# Altium PCB LXDjump.PcbDoc (continued)
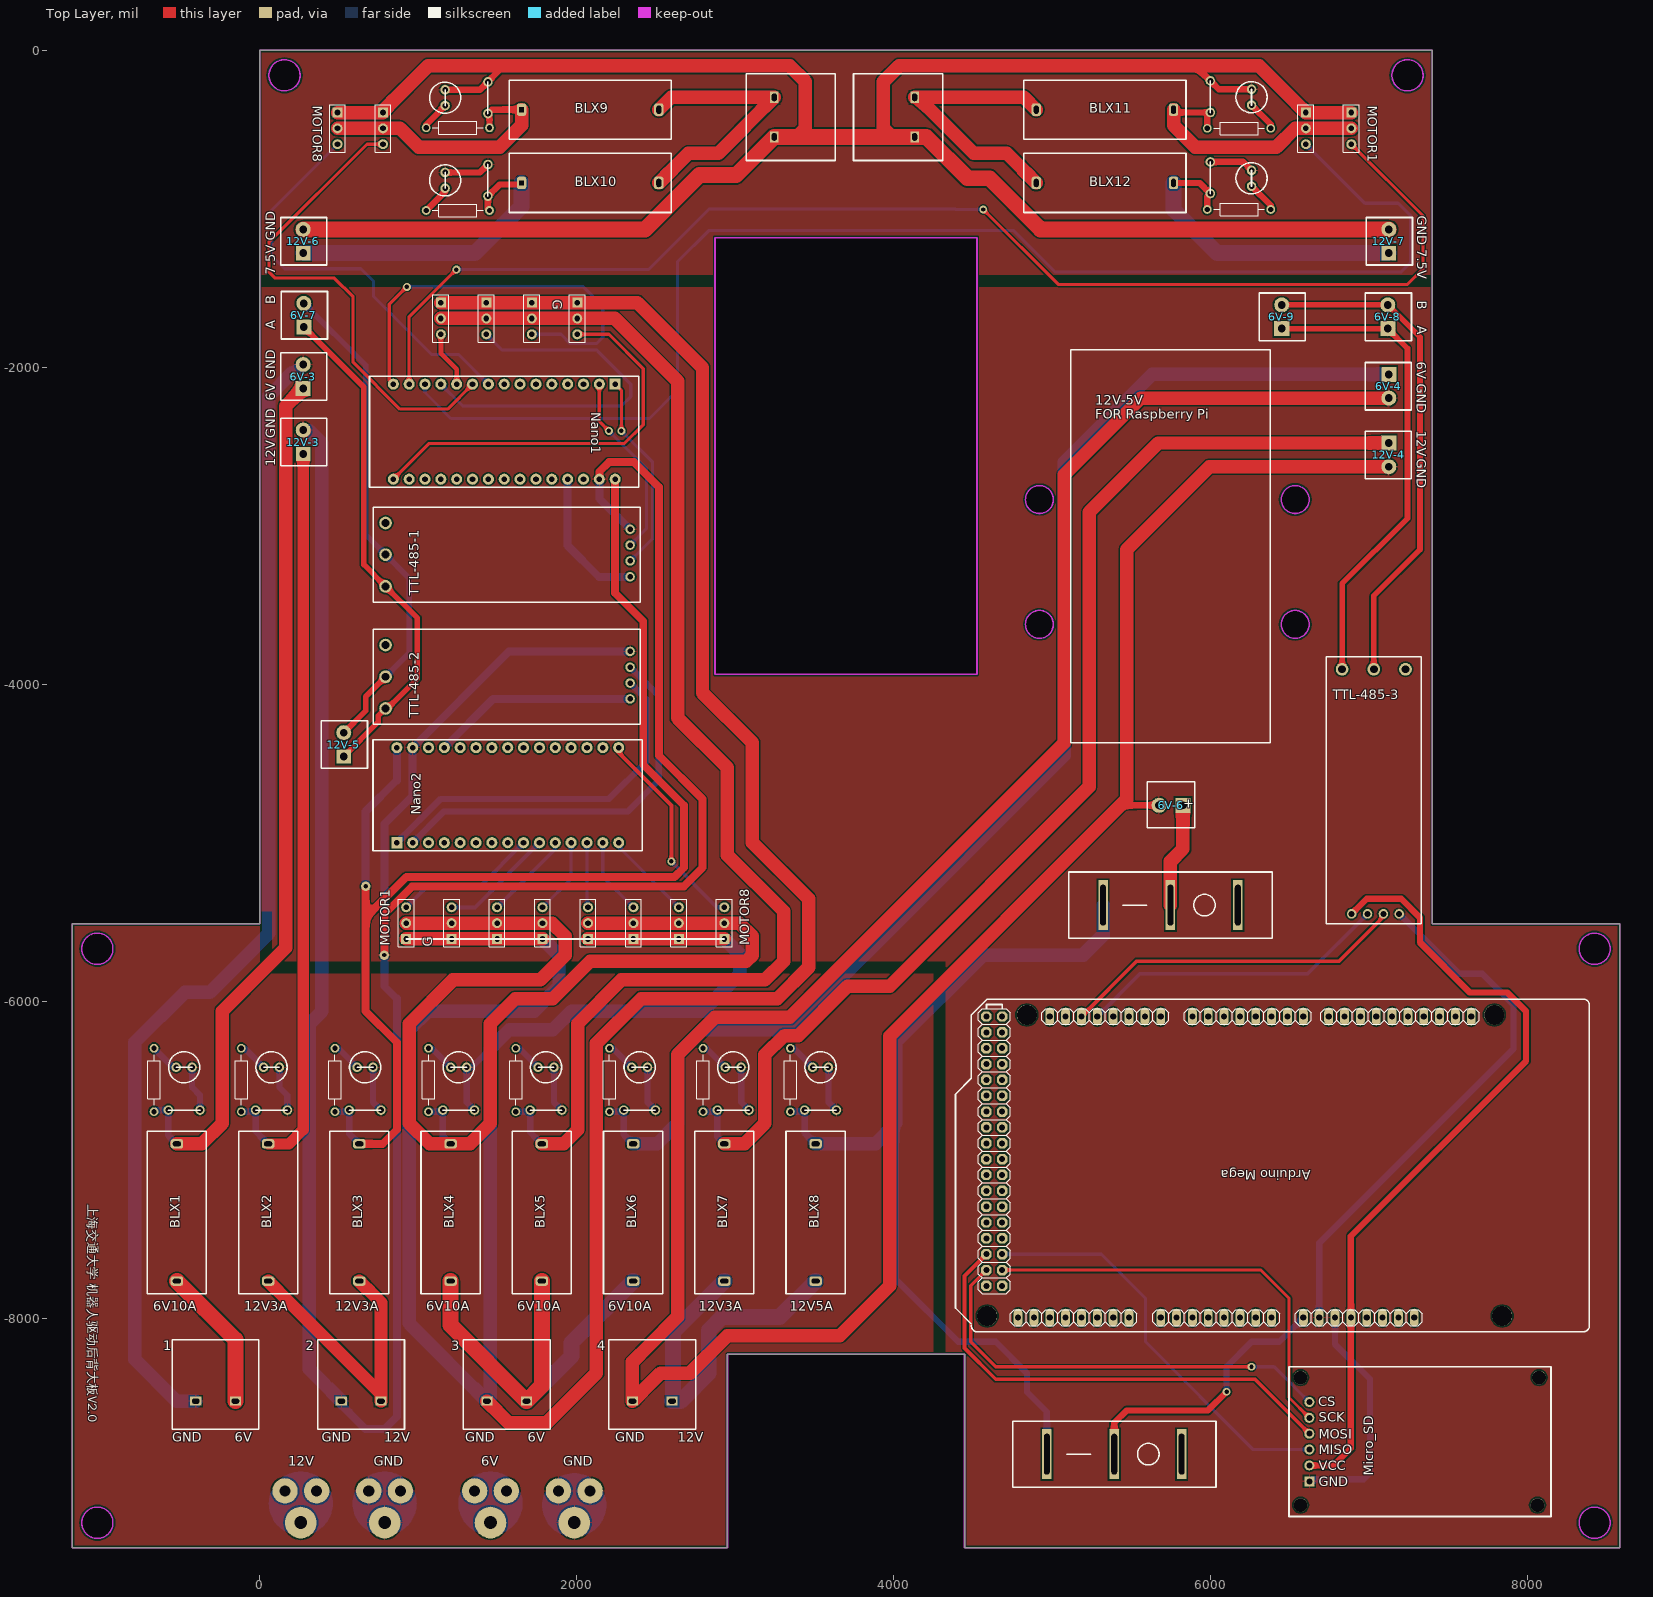
[diagram p0: Top Layer view]
## Nets (pads, with @x,y where several pads share a name; then routed paths per layer and width w, separated by ;. In a path a pad name is that pad's centre, name@x,y a point inside that pad or via, vN(x,y) a via of type N, cw(c..) or ccw(c..) an arc to the next point about the centre after c; other vN are vias at no path point)
3V3: 
6IN: 
6ING: 
7.5VL: ?.1@3248.03,-296.26 BLX9.2 BLX10.2 | length 3425.4
  Top Layer w85: BLX10.2 2705.71,-650.59 2893.7,-650.59 3248.03,-296.26 2597.44,-296.26 BLX9.2
  Bottom Layer w85: BLX10.2 2705.71,-650.59 2893.7,-650.59 3248.03,-296.26 2597.44,-296.26 BLX9.2
7.5VLO: ?.1@1441.14,-398.58 ?.1@1451.14,-488.58 ?.2@778.97,-492.13 BLX9.1 MOTOR8.2@492.13,-492.13 | length 3048.4
  Top Layer w40: ?.1@1451.14,-488.58 1451.14,-408.58 1441.14,-398.58 1465.71,-374.02 BLX9.1
  Top Layer w85: MOTOR8.2@492.13,-492.13 778.97,-492.13 885.83,-492.13 1003.94,-610.24 1515.75,-610.24 1653.54,-472.44 BLX9.1
  Bottom Layer w85: MOTOR8.2@492.13,-492.13 778.97,-492.13 885.83,-492.13 1003.94,-610.24 1515.75,-610.24 1653.54,-472.44 BLX9.1
7.5VLO2: 12V-6.1 ?.1@1441.14,-920.24 ?.1@1451.14,-1010.24 BLX10.1 | length 1989.1
  Top Layer w40: ?.1@1451.14,-1010.24 1441.14,-1000.24 1441.14,-920.24 1514.92,-846.46 1643.7,-846.46 BLX10.1
  Bottom Layer w100: 12V-6.1 1358.27,-1279.53 1653.54,-984.25 BLX10.1
7.5VR: ?.2@4133.86,-296.26 BLX11.1 BLX12.1 | length 3541.6
  Top Layer w85: ?.2@4133.86,-296.26 ?.2@4154.53,-296.26 ; BLX12.1 4714.57,-649.61 4507.87,-649.61 ?.2@4154.53,-296.26 ; BLX11.1 4823.82,-296.26 ?.2@4154.53,-296.26
  Bottom Layer w85: ?.2@4133.86,-296.26 ?.2@4154.53,-296.26 ; BLX12.1 4714.57,-649.61 4507.87,-649.61 ?.2@4154.53,-296.26 ; BLX11.1 4823.82,-296.26 ?.2@4154.53,-296.26
7.5VRO: ?.1@5981.1,-492.13 ?.2@5999.8,-391.97 ?.2@6602.92,-492.13 BLX11.2 MOTOR1.2@6889.76,-492.13 | length 3000.4
  Top Layer w40: BLX11.2 5785.67,-391.97 5999.8,-391.97 5981.1,-410.67 ?.1@5981.1,-492.13
  Top Layer w85: BLX11.2 5767.72,-472.44 5905.51,-610.24 6417.32,-610.24 6535.43,-492.13 6602.92,-492.13 MOTOR1.2@6889.76,-492.13
  Bottom Layer w85: BLX11.2 5767.72,-472.44 5905.51,-610.24 6417.32,-610.24 6535.43,-492.13 6602.92,-492.13 MOTOR1.2@6889.76,-492.13
7.5VRO2: 12V-7.1 ?.1@5981.1,-1003.94 ?.2@5999.8,-903.78 BLX12.2 | length 2007.6
  Top Layer w40: BLX12.2 5932.64,-836.61 5999.8,-903.78 5981.1,-922.48 ?.1@5981.1,-1003.94
  Bottom Layer w100: BLX12.2 5767.72,-1003.94 6043.31,-1279.53 12V-7.1
12IN: 
12ING: 
50: "Arduino Mega.31" Micro_SD.3 | length 2609.9
  Bottom Layer w20: 4686.69,-7596.65 5313.19,-7596.65 5590.55,-7874.02 5590.55,-8149.61 6270.47,-8829.53 Micro_SD.3
51: "Arduino Mega.32" Micro_SD.4 | length 3049
  Top Layer w25: 4586.69,-7596.65 4448.82,-7734.53 4448.82,-8188.98 4645.67,-8385.83 6280.79,-8385.83 Micro_SD.4
52: "Arduino Mega.33" Micro_SD.5 | length 2691.5
  Top Layer w20: 4686.69,-7696.65 6318.7,-7696.65 6496.06,-7874.02 6496.06,-8501.1 Micro_SD.5
53: "Arduino Mega.34" Micro_SD.6@6624.49,-8529.53 | length 2787.4
  Top Layer w20: 4586.69,-7696.65 4488.19,-7795.16 4488.19,-8149.61 4645.67,-8307.09 v1(6259.84,-8307.09)
  Bottom Layer w20: v1(6259.84,-8307.09) 6402.05,-8307.09 Micro_SD.6@6624.49,-8529.53
GND: 1.1 2.1 3.1 4.1 6V-3.2 6V-4.2 6V-6.2 12V-3.2 12V-4.2 12V-6.2 12V-7.2 "Arduino Mega.6"@6786.69,-7996.65 "Arduino Mega.7"@6686.69,-7996.65 ?.1@778.97,-392.13 ?.1@1144.54,-1591.69 ?.1@1212.04,-5607.44 ?.1@1431.38,-1591.69 ?.1@1498.87,-5607.44 ?.1@1718.22,-1591.69 ?.1@1785.71,-5607.44 ?.1@2005.06,-1591.69 ?.1@2072.55,-5607.44 ?.1@2359.39,-5607.44 ?.1@2646.23,-5607.44 ?.1@4133.86,-546.26 ?.1@5999.8,-191.97 ?.1@5999.8,-703.78 ?.1@6259.84,-245.28 ?.1@6259.84,-757.09 ?.1@6602.92,-392.13 ?.2@125.43,-6417.21 ?.2@175.43,-6687.21 ?.2@715.98,-6417.21 ?.2@765.98,-6687.21 ?.2@1171.14,-248.58 ?.2@1171.14,-770.24 ?.2@1306.54,-6417.21 ?.2@1356.54,-6687.21 ?.2@1441.14,-198.58 ?.2@1441.14,-720.24 ?.2@1857.72,-6417.21 ?.2@1907.72,-6687.21 ?.2@2448.27,-6417.21 ?.2@2498.27,-6687.21 ?.2@3038.82,-6417.21 ?.2@3088.82,-6687.21 ?.2@3248.03,-546.26 ?.2@3590,-6417.21 ?.2@3640,-6687.21 ?.2@-375.75,-6687.21 ?.2@-425.75,-6417.21 Micro_SD.1 MOTOR1.1 MOTOR8.1 Nano1.29 Nano2.29 pad.2@689.37,-9090.16 pad.2@789.37,-9290.16 pad.2@889.37,-9090.16 pad.2@1886.22,-9090.16 pad.2@1986.22,-9290.16 pad.2@2086.22,-9090.16 TTL-485-1.7 TTL-485-2.7 TTL-485-3.7 | length 96864.7
  Top Layer w40: ?.2@1171.14,-770.24 1391.14,-770.24 ?.2@1441.14,-720.24 ; ?.2@1171.14,-248.58 1391.14,-248.58 1441.14,-198.58 1535.43,-104.29 ; 5433.07,-4763.78 6V-6.2 ; 5905.51,-98.43 5906.26,-98.43 5999.8,-191.97 6053.11,-245.28 ?.1@6259.84,-245.28 ; ?.1@5999.8,-703.78 6206.53,-703.78 ?.1@6259.84,-757.09
  Top Layer w50: v2(787.4,-5708.66) 787.4,-5451.2 963.01,-5275.59 2677.16,-5275.59 2795.28,-5157.48 2795.28,-4724.41 2519.68,-4448.82 2519.68,-2755.91 2362.2,-2598.43 2204.72,-2598.43 2144.09,-2659.06 Nano1.29
  Top Layer w85: 12V-3.2 12V-3.2@280.75,-2401.58 ; MOTOR8.1@492.13,-392.13 778.97,-392.13 778.97,-382.45 1062.99,-98.43 3346.46,-98.43 3444.88,-196.85 3444.88,-492.13 3390.75,-546.26 ; MOTOR1.1@925.2,-5607.44 1212.04,-5607.44 1498.87,-5607.44 ?.1@1785.71,-5607.44 ; ?.1@1144.54,-1591.69 1431.38,-1591.69 1718.22,-1591.69 2005.06,-1591.69 2384.68,-1591.69 2795.28,-2002.28 2795.28,-4055.12 3110.24,-4370.08 3110.24,-5000 3464.57,-5354.33 3464.57,-5787.4 3267.72,-5984.25 2408,-5984.25 2125.98,-6266.27 2125.98,-8346.46 1811.02,-8661.42 1572.51,-8661.42 3.1 ; ?.1@2072.55,-5607.44 2359.39,-5607.44 2646.23,-5607.44 MOTOR8.1@2933.07,-5607.44 ; 3991.14,-546.26 3937.01,-492.13 3937.01,-196.85 4035.43,-98.43 5905.51,-98.43 ; 5906.26,-98.43 6309.22,-98.43 6602.92,-392.13 MOTOR1.1@6889.76,-392.13 ; 12V-4.2 5994.53,-2627.52 5472.44,-3149.61 5472.44,-4724.41 5433.07,-4763.78 3976.38,-6220.47 3976.38,-7795.28 3661.42,-8110.24 2952.76,-8110.24 2716.54,-8346.46 2530.51,-8346.46 4.1 2353.35,-8276.58 2458.27,-8171.66 2637.79,-7992.13 2637.79,-6338.58 2874.02,-6102.36 3346.46,-6102.36 5078.74,-4370.08 5078.74,-2677.17 5561.46,-2194.45 6V-4.2
  Top Layer w100: 12V-6.2 2433.46,-1129.53 2775.59,-787.4 3006.89,-787.4 3248.03,-546.26 3390.75,-546.26 3991.14,-546.26 4133.86,-546.26 4207.68,-546.26 4468.5,-807.09 4606.3,-807.09 4891.73,-1092.52 4928.74,-1129.53 12V-7.2
  Bottom Layer w40: ?.2@-425.75,-6417.21 -425.75,-6542.76 -375.75,-6592.76 ?.2@-375.75,-6687.21 ; ?.2@125.43,-6417.21 125.43,-6542.76 175.43,-6592.76 ?.2@175.43,-6687.21 ; ?.2@715.98,-6417.21 715.98,-6637.21 ?.2@765.98,-6687.21 ; ?.2@1356.54,-6687.21 1306.54,-6637.21 1306.54,-6417.21 1338.7,-6417.21 1456.69,-6299.21 ; ?.2@1857.72,-6417.21 1857.72,-6637.21 ?.2@1907.72,-6687.21 ; ?.2@2448.27,-6417.21 2448.27,-6637.21 ?.2@2498.27,-6687.21 ; ?.2@3038.82,-6417.21 3038.82,-6637.21 ?.2@3088.82,-6687.21 ; ?.2@3590,-6417.21 3590,-6637.21 ?.2@3640,-6687.21 ; Micro_SD.1 6638.27,-9015.75 6968.5,-9015.75 7007.87,-8976.38 7007.87,-8385.83 6786.69,-8164.65 6786.69,-7996.65 ; 6686.69,-7996.65 6686.69,-7525.9 7913.39,-6299.21 7913.39,-6023.62 7716.54,-5826.77 7569.68,-5826.77 TTL-485-3.7
  Bottom Layer w50: 2.1 516.08,-8547.57 669.29,-8700.79 787.4,-8700.79 866.14,-8622.05 866.14,-5984.25 787.4,-5905.51 v2(787.4,-5708.66) 787.4,-4881.89 966.14,-4703.15 Nano2.29 1573.62,-3792.52 TTL-485-2.7 ; Nano1.29 2144.09,-2827.52 TTL-485-1.7
  Bottom Layer w85: 1.1 -524.02,-8523.62 -787.4,-8260.24 -787.4,-6259.84 -472.44,-5944.88 -314.96,-5944.88 57.5,-5572.42 57.5,-2181.87 206.34,-2033.03 225.59,-2033.03 6V-3.2 ; 12V-3.2 280.75,-2401.58 314.96,-2401.58 393.7,-2480.32 393.7,-6062.99 314.96,-6141.73 314.96,-8322.51 2.1 ; MOTOR8.1@492.13,-392.13 ?.1@778.97,-392.13 ; ?.1@778.97,-382.45 1062.99,-98.43 3346.46,-98.43 3444.88,-196.85 3444.88,-492.13 3390.75,-546.26 ; ?.1@1144.54,-1591.69 1431.38,-1591.69 1718.22,-1591.69 ?.1@2005.06,-1591.69 ; ?.1@1785.71,-5607.44 1889.76,-5711.49 1889.76,-5905.51 1732.28,-6062.99 1062.99,-6062.99 944.88,-6181.1 944.88,-8033.79 3.1 1456.69,-8501.64 1456.69,-6299.21 1574.8,-6181.1 1850.39,-6181.1 1968.5,-6062.99 2795.28,-6062.99 3031.5,-5826.77 3031.5,-5705.86 MOTOR8.1@2933.07,-5607.44 ; 3991.14,-546.26 3937.01,-492.13 3937.01,-196.85 4035.43,-98.43 5905.51,-98.43 ; 5906.26,-98.43 6309.22,-98.43 6602.92,-392.13 MOTOR1.1@6889.76,-392.13
  Bottom Layer w100: ?.2@3248.03,-546.26 3390.75,-546.26 3991.14,-546.26 ?.1@4133.86,-546.26
LED1: ?.1@-525.75,-6417.21 ?.2@-665.75,-6297.21 | length 189.7
  Bottom Layer w40: ?.2@-665.75,-6297.21 -545.75,-6417.21 ?.1@-525.75,-6417.21
LED2: ?.1@25.43,-6417.21 ?.2@-114.57,-6297.21 | length 189.7
  Bottom Layer w40: ?.2@-114.57,-6297.21 -94.57,-6297.21 ?.1@25.43,-6417.21
LED3: ?.1@615.98,-6417.21 ?.2@475.98,-6297.21 | length 189.7
  Bottom Layer w40: ?.2@475.98,-6297.21 495.98,-6297.21 ?.1@615.98,-6417.21
LED4: ?.1@1206.54,-6417.21 ?.2@1066.54,-6297.21 | length 189.7
  Bottom Layer w40: ?.2@1066.54,-6297.21 1086.54,-6297.21 ?.1@1206.54,-6417.21
LED5: ?.1@1757.72,-6417.21 ?.2@1617.72,-6297.21 | length 189.7
  Bottom Layer w40: ?.2@1617.72,-6297.21 1637.72,-6297.21 ?.1@1757.72,-6417.21
LED6: ?.1@2348.27,-6417.21 ?.2@2208.27,-6297.21 | length 189.7
  Bottom Layer w40: ?.2@2208.27,-6297.21 2228.27,-6297.21 ?.1@2348.27,-6417.21
LED7: ?.1@2938.82,-6417.21 ?.2@2798.82,-6297.21 | length 189.7
  Bottom Layer w40: ?.2@2798.82,-6297.21 2818.82,-6297.21 ?.1@2938.82,-6417.21
LED8: ?.1@3490,-6417.21 ?.2@3350,-6297.21 | length 189.7
  Bottom Layer w40: ?.2@3350,-6297.21 3370,-6297.21 ?.1@3490,-6417.21
LED9: ?.1@1171.14,-348.58 ?.2@1051.14,-488.58 | length 189.7
  Top Layer w40: ?.2@1051.14,-488.58 1051.14,-468.58 ?.1@1171.14,-348.58
LED10: ?.1@1171.14,-870.24 ?.2@1051.14,-1010.24 | length 189.7
  Top Layer w40: ?.2@1051.14,-1010.24 1171.14,-890.24 ?.1@1171.14,-870.24
LED11: ?.2@6259.84,-345.28 ?.2@6381.1,-492.13 | length 197.1
  Top Layer w40: ?.2@6259.84,-345.28 6381.1,-466.54 ?.2@6381.1,-492.13
LED12: ?.2@6259.84,-857.09 ?.2@6381.1,-1003.94 | length 197.1
  Top Layer w40: ?.2@6259.84,-857.09 6381.1,-978.35 ?.2@6381.1,-1003.94
LED+: 
M1: MOTOR1.3@925.2,-5407.44 Nano2.9 | length 909.7
  Bottom Layer w25: MOTOR1.3@925.2,-5407.44 1057.05,-5275.59 1390.55,-5275.59 Nano2.9
M1U: MOTOR8.3@492.13,-592.13 Nano1.9 | length 2633.8
  Bottom Layer w20: MOTOR8.3@492.13,-592.13 78.74,-1005.51 78.74,-1299.21 157.48,-1377.95 640.23,-1377.95 718.97,-1456.69 718.97,-1552.05 1085.97,-1919.05 1256.84,-1919.05 Nano1.9
M2: ?.3@1212.04,-5407.44 Nano2.10 | length 722.9
  Bottom Layer w25: ?.3@1212.04,-5407.44 1358.7,-5407.44 Nano2.10
M2U: ?.3@778.97,-592.13 Nano1.10 | length 3114.1
  Top Layer w20: ?.3@778.97,-592.13 677.89,-592.13 59.05,-1210.96 59.05,-1397.64 98.42,-1437.01 472.44,-1437.01 590.55,-1555.12 590.55,-1968.5 885.83,-2263.78 1186.61,-2263.78 Nano1.10
M3: ?.3@1498.87,-5407.44 Nano2.11 | length 559.6
  Bottom Layer w25: ?.3@1498.87,-5407.44 1866.14,-5040.17 Nano2.11
M3U: ?.3@1144.54,-1791.69 Nano1.11 | length 355.8
  Top Layer w30: ?.3@1144.54,-1791.69 1144.54,-1912.26 1244.09,-2011.81 Nano1.11
M4: ?.3@1785.71,-5407.44 Nano2.12 | length 482.2
  Bottom Layer w20: ?.3@1785.71,-5407.44 1966.14,-5227.01 Nano2.12
M4U: ?.3@1431.38,-1791.69 Nano1.12 | length 2400.2
  Bottom Layer w20: Nano1.12 1281.89,-2244.1 2283.46,-2244.1 2342.52,-2185.04 2342.52,-2106.3 2137.76,-1901.54 2125.98,-1889.76 1529.45,-1889.76 ?.3@1431.38,-1791.69
M5: ?.3@2072.55,-5407.44 Nano2.13 | length 410.1
  Bottom Layer w20: Nano2.13 2066.14,-5401.03 ?.3@2072.55,-5407.44
M5U: ?.3@6602.92,-592.13 Nano1.13 | length 8582.5
  Bottom Layer w20: Nano1.13 1044.09,-2159.17 1207.76,-2322.84 2460.63,-2322.84 2637.79,-2145.67 2637.79,-1333.9 2834.65,-1137.05 4759.09,-1137.05 5019.68,-1397.64 7204.72,-1397.64 7263.78,-1338.58 7263.78,-1043.31 7185.04,-964.57 6975.37,-964.57 ?.3@6602.92,-592.13
M6: ?.3@2359.39,-5407.44 Nano2.14 | length 487.5
  Bottom Layer w20: Nano2.14 2166.14,-5214.19 ?.3@2359.39,-5407.44
M6U: MOTOR1.3@6889.76,-592.13 Nano1.14 | length 8316.4
  Top Layer w20: Nano1.14 944.09,-1680.92 v1(1241.97,-1383.05) ; v1(4566.93,-1003.94) 5039.37,-1476.38 7244.09,-1476.38 7342.52,-1377.95 7342.52,-1044.88 MOTOR1.3@6889.76,-592.13
  Bottom Layer w20: v1(1241.97,-1383.05) 2455.53,-1383.05 2837.53,-1001.05 4389.76,-1001.05 4392.65,-1003.94 v1(4566.93,-1003.94)
M7: ?.3@2646.23,-5407.44 Nano2.15 | length 564.9
  Bottom Layer w20: Nano2.15 2266.14,-5027.35 ?.3@2646.23,-5407.44
M7U: ?.3@1718.22,-1791.69 Nano1.15 | length 2641.7
  Top Layer w20: Nano1.15 818.97,-2081.18 818.97,-1602.29 v1(929.21,-1492.05)
  Bottom Layer w20: v1(929.21,-1492.05) 2043.23,-1492.05 2165.35,-1614.17 2165.35,-1811.02 2125.98,-1850.39 1961.17,-1850.39 1902.47,-1791.69 ?.3@1718.22,-1791.69
M8: MOTOR8.3@2933.07,-5407.44 Nano2.16 | length 1310.2
  Top Layer w25: Nano2.16 2266.14,-4431.5 2598.42,-4763.78 v1(2598.42,-5118.11)
  Bottom Layer w25: v1(2598.42,-5118.11) 2887.75,-5407.44 MOTOR8.3@2933.07,-5407.44
M8U: ?.3@2005.06,-1791.69 Nano1.16 | length 2579.8
  Top Layer w20: Nano1.16 1070.08,-2480.32 2303.15,-2480.32 2421.26,-2362.21 2421.26,-2007.87 2205.08,-1791.69 ?.3@2005.06,-1791.69
NewNet1: 6V-7.1 6V-8.1 6V-9.1 12V-5.1 TTL-485-1.1 TTL-485-2.1 TTL-485-3.1 | length 6246.9
  Top Layer w35: 6V-7.1 658.7,-2125.98 658.7,-3245.67 TTL-485-1.1 995.71,-3582.68 995.71,-3964.92 807.87,-4152.76 TTL-485-2.1 748.03,-4200 748.03,-4239.33 12V-5.1 ; 6V-9.1 6V-8.1 7244.09,-1880.67 7244.09,-2952.76 6831.5,-3365.36 TTL-485-3.1
NewNet2: 6V-7.2 6V-8.2 6V-9.2 12V-5.2 TTL-485-1.2 TTL-485-2.2 TTL-485-3.2 | length 6329.8
  Top Layer w35: 12V-5.2 669.29,-4168.07 669.29,-4078.74 TTL-485-2.2 ; 6V-9.2 6V-8.2 7322.83,-1809.41 7322.83,-3149.61 7031.5,-3440.95 TTL-485-3.2
  Bottom Layer w35: 6V-7.2 669.29,-1986.57 669.29,-3056.26 TTL-485-1.2 944.88,-3331.85 944.88,-3803.15 TTL-485-2.2
NewNet3: 
RX: Nano2.2 TTL-485-2.6 | length 2505.4
  Bottom Layer w40: Nano2.2 1162.99,-4803.15 2322.83,-4803.15 2519.68,-4606.3 2519.68,-4073.62 TTL-485-2.6
RX1: "Arduino Mega.3"@5186.69,-6096.65 TTL-485-3.6 | length 2184.2
  Top Layer w25: 5186.69,-6096.65 5535.32,-5748.03 6811.02,-5748.03 7091.73,-5467.32 TTL-485-3.6
RXU: Nano1.2 TTL-485-1.6 | length 1181.1
  Top Layer w20: Nano1.2 2144.09,-2340.94 v1(2204.72,-2401.58)
  Bottom Layer w20: v1(2204.72,-2401.58) 2440.94,-2637.8 2440.94,-3019.65 TTL-485-1.6
TX: Nano2.1 TTL-485-2.5 | length 2325.1
  Bottom Layer w40: Nano2.1 1141.73,-4724.41 2204.72,-4724.41 2440.94,-4488.19 2440.94,-4094.49 2338.98,-3992.52 TTL-485-2.5
TX1: "Arduino Mega.4"@5286.69,-6096.65 TTL-485-3.5 | length 1973.6
  Bottom Layer w25: 5286.69,-6096.65 5556.58,-5826.77 6614.17,-5826.77 6991.73,-5449.21 TTL-485-3.5
TXU: Nano1.1 TTL-485-1.5 | length 1272.3
  Top Layer w20: Nano1.1 2283.46,-2145.67 v1(2283.46,-2401.58)
  Bottom Layer w20: v1(2283.46,-2401.58) 2480.31,-2598.43 2480.31,-3080.28 TTL-485-1.5
V5: Nano2.27 TTL-485-2.4 | length 1299.8
  Bottom Layer w50: Nano2.27 1473.62,-4092.52 TTL-485-2.4
V5M: "Arduino Mega.5"@6886.69,-7996.65 Micro_SD.2 TTL-485-3.4 | length 5048.9
  Top Layer w40: Micro_SD.2 6779.13,-8929.53 6886.69,-8821.97 6886.69,-7996.65 6886.69,-7483.38 7992.13,-6377.95 7992.13,-6062.99 7874.02,-5944.88 7637.79,-5944.88 7322.83,-5629.92 7322.83,-5472.44 7204.72,-5354.33 6986.22,-5354.33 TTL-485-3.4
V5U: Nano1.27 TTL-485-1.4 | length 894.9
  Bottom Layer w50: Nano1.27 1944.09,-3125.2 2140.9,-3322.01 TTL-485-1.4
V6: 1.2 3.2 6V-3.1 6V-4.1 ?.1@1066.54,-6697.21 ?.1@1156.54,-6687.21 ?.1@1617.72,-6697.21 ?.1@1707.72,-6687.21 ?.1@2208.27,-6697.21 ?.1@2298.27,-6687.21 ?.1@-575.75,-6687.21 ?.1@-665.75,-6697.21 ?.2@1144.54,-1691.69 ?.2@1212.04,-5507.44 ?.2@1431.38,-1691.69 ?.2@1498.87,-5507.44 ?.2@1718.22,-1691.69 ?.2@1785.71,-5507.44 ?.2@2005.06,-1691.69 ?.2@2072.55,-5507.44 ?.2@2359.39,-5507.44 ?.2@2646.23,-5507.44 BLX1.1 BLX1.2 BLX4.1 BLX4.2 BLX5.1 BLX5.2 BLX6.1 BLX6.2 MOTOR1.2@925.2,-5507.44 MOTOR8.2@2933.07,-5507.44 pad.2@1357.48,-9090.16 pad.2@1457.48,-9290.16 pad.2@1557.48,-9090.16 | length 34404.5
  Top Layer w85: BLX1.2 -364.68,-6900.12 -236.22,-6771.65 -236.22,-6062.99 164.52,-5662.25 164.52,-2244.1 6V-3.1 ; MOTOR1.2@925.2,-5507.44 1212.04,-5507.44 1498.87,-5507.44 1785.71,-5507.44 1846.02,-5507.44 1929.13,-5590.55 1929.13,-5708.66 1771.65,-5866.14 1220.47,-5866.14 944.88,-6141.73 944.88,-6771.65 1073.35,-6900.12 BLX4.2 1328.23,-6900.12 1456.69,-6771.65 1456.69,-6141.73 1614.17,-5984.25 1850.39,-5984.25 2086.61,-5748.03 3070.87,-5748.03 3110.24,-5708.66 3110.24,-5590.55 3027.12,-5507.44 2933.07,-5507.44 2646.23,-5507.44 2359.39,-5507.44 ?.2@2072.55,-5507.44 ; ?.2@1144.54,-1691.69 1431.38,-1691.69 1718.22,-1691.69 2005.06,-1691.69 2242.87,-1691.69 2637.79,-2086.61 2637.79,-4212.6 2952.76,-4527.56 2952.76,-5078.74 3307.09,-5433.07 3307.09,-5748.03 3188.98,-5866.14 2283.46,-5866.14 2007.87,-6141.73 2007.87,-6811.02 1918.78,-6900.12 BLX5.2
  Top Layer w100: BLX1.1 -152.56,-8135.35 1.2 ; BLX4.1 1205.71,-8044.62 3.2 1781.5,-8426.83 BLX5.1
  Bottom Layer w40: ?.1@-665.75,-6697.21 -655.75,-6687.21 -575.75,-6687.21 -575.75,-6846.02 BLX1.2 ; ?.1@1066.54,-6697.21 1146.54,-6697.21 1156.54,-6687.21 1156.54,-6850.94 BLX4.2 ; ?.1@1617.72,-6697.21 1697.72,-6697.21 1707.72,-6687.21 1707.72,-6826.34 BLX5.2 ; ?.1@2208.27,-6697.21 2288.27,-6697.21 2298.27,-6687.21 2298.27,-6841.1 BLX6.2
  Bottom Layer w85: ?.2@1144.54,-1691.69 1431.38,-1691.69 1718.22,-1691.69 ?.2@2005.06,-1691.69 ; BLX6.2 2509.33,-6900.12 2637.79,-6771.65 2637.79,-6338.58 2795.28,-6181.1 3346.46,-6181.1 5078.74,-4448.82 5078.74,-2598.43 5632.72,-2044.45 6V-4.1
  Bottom Layer w100: 3.2 1968.5,-8239.83 1968.5,-8155.04 BLX6.1
V12: 2.2 4.2 12V-3.1 12V-4.1 "Arduino Mega.8"@6586.69,-7996.65 ?.1@475.98,-6697.21 ?.1@565.98,-6687.21 ?.1@2798.82,-6697.21 ?.1@2888.82,-6687.21 ?.1@3350,-6697.21 ?.1@3440,-6687.21 ?.1@4968.5,-8858.27 ?.1@5322.83,-5393.7 ?.1@-24.57,-6687.21 ?.1@-114.57,-6697.21 ?.2@5393.7,-8858.27 BLX2.1 BLX2.2 BLX3.1 BLX3.2 BLX7.1 BLX7.2 BLX8.1 BLX8.2 Nano1.30 Nano2.30 pad.2@160.63,-9090.16 pad.2@260.63,-9290.16 pad.2@360.63,-9090.16 | length 32083.1
  Top Layer w40: ?.2@5393.7,-8858.27 5393.7,-8661.42 5472.44,-8582.68 5984.25,-8582.68 v1(6102.36,-8464.57)
  Top Layer w50: BLX3.2 777.05,-6900.12 866.14,-6811.02 866.14,-6259.84 669.29,-6062.99 669.29,-5472.44 ; v2(669.29,-5275.59) 669.29,-5472.44 ; Nano1.30 2244.09,-3425.2 2421.26,-3602.36 2421.26,-4507.87 2677.16,-4763.78 2677.16,-5157.48 2619.05,-5215.59 926.14,-5215.59 669.29,-5472.44
  Top Layer w70: BLX2.2 186.5,-6900.12 275.59,-6811.02 12V-3.1
  Top Layer w80: BLX2.1 766.08,-8478.2 ; BLX3.1 766.08,-7902.41 766.08,-8478.2 ; 2.2 766.08,-8478.2
  Top Layer w85: BLX7.2 3060.51,-6900.12 3188.98,-6771.65 3188.98,-6338.58 3307.09,-6220.47 3313.51,-6220.47 3316.84,-6217.15 3399,-6217.15 3710.63,-5905.51 3976.38,-5905.51 5236.22,-4645.67 5236.22,-2913.39 5672.09,-2477.52 12V-4.1
  Bottom Layer w40: ?.1@-114.57,-6697.21 -34.57,-6697.21 -24.57,-6687.21 -24.57,-6821.42 BLX2.2 ; ?.1@475.98,-6697.21 555.98,-6697.21 565.98,-6687.21 565.98,-6836.18 BLX3.2 ; ?.1@2798.82,-6697.21 2878.82,-6697.21 2888.82,-6687.21 2888.82,-6855.86 BLX7.2 ; ?.1@3350,-6697.21 3430,-6697.21 3440,-6687.21 3440,-6831.26 BLX8.2 ; 4015.75,-6771.65 4015.75,-7755.91 4409.45,-8149.61 4645.67,-8149.61 4842.52,-8346.46 4842.52,-8464.57 4968.5,-8590.55 ?.1@4968.5,-8858.27 ; v1(6102.36,-8464.57) 6102.36,-8307.09 6259.84,-8149.61 6433.74,-8149.61 6586.69,-7996.65
  Bottom Layer w50: v2(669.29,-5275.59) 669.29,-4803.15 866.14,-4606.3 Nano2.30
  Bottom Layer w85: BLX8.2 3887.28,-6900.12 4015.75,-6771.65 4015.75,-6259.84 4566.93,-5708.66 5196.85,-5708.66 5322.83,-5582.68 ?.1@5322.83,-5393.7
  Bottom Layer w100: BLX7.1 2608.27,-8091.07 2608.27,-8518.7 4.2 2657.48,-8523.62 2834.65,-8346.46 2834.65,-8077.91 2920.43,-7992.13 3282.99,-7992.13 BLX8.1
V12H: 6V-6.1 ?.2@5748.03,-5393.7 | length 662.5
  Top Layer w85: ?.2@5748.03,-5393.7 5748.03,-5118.11 5826.77,-5039.37 6V-6.1
V12M: 
pads on no net: "Arduino Mega.1" "Arduino Mega.2" "Arduino Mega.3"@4686.69,-6196.65 "Arduino Mega.3"@5286.69,-7996.65 "Arduino Mega.3"@6086.69,-6096.65 "Arduino Mega.3"@6186.69,-7996.65 "Arduino Mega.3"@7086.69,-7996.65 "Arduino Mega.3"@7446.69,-6096.65 "Arduino Mega.4"@4586.69,-6196.65 "Arduino Mega.4"@5186.69,-7996.65 "Arduino Mega.4"@6086.69,-7996.65 "Arduino Mega.4"@6186.69,-6096.65 "Arduino Mega.4"@6986.69,-7996.65 "Arduino Mega.4"@7346.69,-6096.65 "Arduino Mega.5"@4686.69,-6296.65 "Arduino Mega.5"@5086.69,-7996.65 "Arduino Mega.5"@5386.69,-6096.65 "Arduino Mega.5"@5986.69,-7996.65 "Arduino Mega.5"@6286.69,-6096.65 "Arduino Mega.5"@7246.69,-6096.65 "Arduino Mega.6"@4586.69,-6296.65 "Arduino Mega.6"@4986.69,-7996.65 "Arduino Mega.6"@5486.69,-6096.65 "Arduino Mega.6"@5886.69,-7996.65 "Arduino Mega.6"@6386.69,-6096.65 "Arduino Mega.6"@7146.69,-6096.65 "Arduino Mega.7"@4686.69,-6396.65 "Arduino Mega.7"@4886.69,-7996.65 "Arduino Mega.7"@5586.69,-6096.65 "Arduino Mega.7"@5786.69,-7996.65 "Arduino Mega.7"@6486.69,-6096.65 "Arduino Mega.7"@7046.69,-6096.65 "Arduino Mega.8"@4586.69,-6396.65 "Arduino Mega.8"@4786.69,-7996.65 "Arduino Mega.8"@5686.69,-6096.65 "Arduino Mega.8"@5686.69,-7996.65 "Arduino Mega.8"@6586.69,-6096.65 "Arduino Mega.8"@6946.69,-6096.65 "Arduino Mega.9" "Arduino Mega.10" "Arduino Mega.11" "Arduino Mega.12" "Arduino Mega.13" "Arduino Mega.14" "Arduino Mega.15" "Arduino Mega.16" "Arduino Mega.17" "Arduino Mega.18" "Arduino Mega.19" "Arduino Mega.20" "Arduino Mega.21" "Arduino Mega.22" "Arduino Mega.23" "Arduino Mega.24" "Arduino Mega.25" "Arduino Mega.26" "Arduino Mega.27" "Arduino Mega.28" "Arduino Mega.29" "Arduino Mega.30" "Arduino Mega.35" "Arduino Mega.36" ?.3@5818.9,-8858.27 ?.3@6173.23,-5393.7 Micro_SD.6@6569.49,-8375.51 Micro_SD.6@6569.49,-9180.51 Micro_SD.6@8064.49,-9180.51 Micro_SD.6@8074.49,-8375.51 Nano1.3 Nano1.4 Nano1.5 Nano1.6 Nano1.7 Nano1.8 Nano1.17 Nano1.18 Nano1.19 Nano1.20 Nano1.21 Nano1.22 Nano1.23 Nano1.24 Nano1.25 Nano1.26 Nano1.28 Nano2.3 Nano2.4 Nano2.5 Nano2.6 Nano2.7 Nano2.8 Nano2.17 Nano2.18 Nano2.19 Nano2.20 Nano2.21 Nano2.22 Nano2.23 Nano2.24 Nano2.25 Nano2.26 Nano2.28 TTL-485-1.3 TTL-485-2.3 TTL-485-3.3

## Polygon pours and split planes (outlines as drawn)
GND on Top Layer "Top Layer-POWWER" (solid, pour order 42): 4251.97,-8228.35 4251.97,-5826.77 0,-5826.77 0,-5511.81 -1181.1,-5511.81 -1181.1,-9448.82 2952.76,-9448.82 2952.76,-8228.35
GND on Top Layer "Top Layer-UP" (solid, pour order 22): 0,0 0,-1417.32 2874.02,-1417.32 2874.02,-1181.1 4527.56,-1181.1 4527.56,-1417.32 7401.57,-1417.32 7401.57,0 0,0
GND on Top Layer "Top Layer-SIG" (solid, pour order 46): 0,-1496.06 2874.02,-1496.06 2874.02,-3937.01 4527.56,-3937.01 4527.56,-1496.06 7401.57,-1496.06 7401.57,-5511.81 8582.68,-5511.81 8582.68,-9448.82 4448.82,-9448.82 4448.82,-8228.35 4330.71,-8228.35 4330.71,-5787.4 4330.71,-5748.03 78.74,-5748.03 78.74,-5433.07 0,-5433.07 0,-1496.06
GND on Bottom Layer "Top Layer-POWWER" (solid, pour order 40): 4251.97,-8228.35 4251.97,-5826.77 0,-5826.77 0,-5511.81 -1181.1,-5511.81 -1181.1,-9448.82 2952.76,-9448.82 2952.76,-8228.35 4251.97,-8228.35
GND on Bottom Layer "Top Layer-UP" (solid, pour order 24): 0,-1417.32 2874.02,-1417.32 2874.02,-1181.1 4527.56,-1181.1 4527.56,-1417.32 7362.2,-1417.32 7401.57,-1417.32 7401.57,0 0,0
GND on Bottom Layer "Top Layer-SIG" (solid, pour order 44): 0,-1496.06 2874.02,-1496.06 2874.02,-3937.01 4527.56,-3937.01 4527.56,-1535.43 4527.56,-1496.06 7401.57,-1496.06 7401.57,-5511.81 8582.68,-5511.81 8582.68,-9448.82 4448.82,-9448.82 4448.82,-8228.35 4330.71,-8228.35 4330.71,-5748.03 78.74,-5748.03 78.74,-5433.07 0,-5433.07 0,-1496.06

## Keep-outs
Keep-Out Layer:
  circle w10: c-1023.62,-9291.34 r98.43
  circle w10: c8425.2,-9291.34 r98.43
  circle w10: c8425.2,-5669.29 r98.43
  circle w10: c-1023.62,-5669.29 r98.43
  circle w10: c6535.43,-2834.65 r88.03
  circle w10: c6535.43,-3622.05 r88.03
  circle w10: c4921.26,-3622.05 r88.03
  circle w10: c4921.26,-2834.65 r88.03
  circle w10: c157.48,-157.48 r98.43
  circle w10: c7244.09,-157.48 r98.43
  lines w10: -1181.1,-9448.82 -1181.1,-5511.81 0,-5511.81 0,0 7401.57,0 7401.57,-5511.81 8582.68,-5511.81 8582.68,-9448.82 4448.82,-9448.82 4448.82,-8228.35 2952.76,-8228.35 2952.76,-9448.82 -1181.1,-9448.82 ; 2874.02,-3937.01 4527.56,-3937.01 4527.56,-1181.1 2874.02,-1181.1 2874.02,-3937.01

## Other copper
Bottom Layer:
  region net V12: 59.38,-9170.16 ccw(c260.63,-9170.16) 260.63,-9371.4 ccw(c260.63,-9170.16) 461.88,-9170.16 ccw(c260.63,-9170.16) 260.63,-8968.91 ccw(c260.63,-9170.16)
  region net GND: 588.12,-9170.16 ccw(c789.37,-9170.16) 789.37,-9371.4 ccw(c789.37,-9170.16) 990.62,-9170.16 ccw(c789.37,-9170.16) 789.37,-8968.91 ccw(c789.37,-9170.16)
  region net V6: 1256.23,-9170.16 ccw(c1457.48,-9170.16) 1457.48,-9371.4 ccw(c1457.48,-9170.16) 1658.73,-9170.16 ccw(c1457.48,-9170.16) 1457.48,-8968.91 ccw(c1457.48,-9170.16)
  region net GND: 1784.97,-9180.16 ccw(c1986.22,-9180.16) 1986.22,-9381.4 ccw(c1986.22,-9180.16) 2187.47,-9180.16 ccw(c1986.22,-9180.16) 1986.22,-8978.91 ccw(c1986.22,-9180.16)

## Silkscreen, mask and mechanical layers (free items; w line width, h text height)
Top Overlay:
  lines w10: 925.2,-5607.44 2933.07,-5607.44
  text "GND 7.5V" at 7306.69,-1043.31 h60 r270
  text "7.5V GND" at 98.43,-1417.32 h60 r90
  text "G" at 1850.39,-1574.8 h60 r270
  text "B" at 7306.69,-1579.09 h60 r270
  text "B" at 98.43,-1601.54 h60 r90
  text "A" at 7306.69,-1736.57 h60 r270
  text "A" at 98.43,-1759.02 h60 r90
  text "6V" at 7303.15,-1965.71 h60 r270
  text "GND" at 98.43,-2073.98 h60 r90
  text "GND" at 7303.15,-2103.5 h60 r270
  text "6V" at 98.43,-2211.77 h60 r90
  text "12V" at 7303.15,-2398.78 h60 r270
  text "GND" at 98.43,-2447.99 h60 r90
  text "GND" at 7303.15,-2575.94 h60 r270
  text "12V" at 98.43,-2625.16 h60 r90
  text "+" at 5830.31,-4777.91 h60
  text "G" at 1090.08,-5657.99 h60 r90
  text "上海交通大学 机器人驱动后背大板V2.0" at -1102.36,-7283.46 h100 r270
  text "6V10A" at -669.29,-7952.76 h60
  text "12V3A" at -95.61,-7952.76 h60
  text "12V3A" at 478.07,-7952.76 h60
  text "6V10A" at 1051.74,-7952.76 h60
  text "6V10A" at 1625.42,-7952.76 h60
  text "6V10A" at 2199.1,-7952.76 h60
  text "12V3A" at 2772.78,-7952.76 h60
  text "12V5A" at 3346.46,-7952.76 h60
  text "GND" at -551.18,-8779.53 h60
  text "6V" at -157.48,-8779.53 h60
  text "GND" at 393.7,-8779.53 h60
  text "12V" at 787.4,-8779.53 h60
  text "GND" at 1299.21,-8779.53 h60
  text "6V" at 1692.91,-8779.53 h60
  text "GND" at 2244.09,-8779.53 h60
  text "12V" at 2637.8,-8779.53 h60
  text "12V" at 180.63,-8930.16 h60
  text "GND" at 719.37,-8930.16 h60
  text "6V" at 1397.48,-8930.16 h60
  text "GND" at 1916.22,-8930.16 h60
Bottom Solder:
  circle w10: c1986.22,-9180.16 r201.25
  circle w10: c1457.48,-9170.16 r201.25
  circle w10: c789.37,-9170.16 r201.25
  circle w10: c260.63,-9170.16 r201.25
  region: 1784.97,-9180.16 ccw(c1986.22,-9180.16) 1986.22,-9381.4 ccw(c1986.22,-9180.16) 2187.47,-9180.16 ccw(c1986.22,-9180.16) 1986.22,-8978.91 ccw(c1986.22,-9180.16)
  region: 1256.23,-9170.16 ccw(c1457.48,-9170.16) 1457.48,-9371.4 ccw(c1457.48,-9170.16) 1658.73,-9170.16 ccw(c1457.48,-9170.16) 1457.48,-8968.91 ccw(c1457.48,-9170.16)
  region: 588.12,-9170.16 ccw(c789.37,-9170.16) 789.37,-9371.4 ccw(c789.37,-9170.16) 990.62,-9170.16 ccw(c789.37,-9170.16) 789.37,-8968.91 ccw(c789.37,-9170.16)
  region: 59.38,-9170.16 ccw(c260.63,-9170.16) 260.63,-9371.4 ccw(c260.63,-9170.16) 461.88,-9170.16 ccw(c260.63,-9170.16) 260.63,-8968.91 ccw(c260.63,-9170.16)
  lines w60: 492.13,-492.13 778.97,-492.13 ; 492.13,-392.13 778.97,-392.13 ; 6602.92,-492.13 6889.76,-492.13 ; 6602.92,-392.13 6889.76,-392.13

## Text inside footprints (layer, text, board x,y; h text height)
Micro_SD: Top Overlay "GND" at 6684.49,-9060.51 h60; Top Overlay "VCC" at 6684.49,-8960.51 h60; Top Overlay "MISO" at 6684.49,-8860.51 h60; Top Overlay "MOSI" at 6684.49,-8760.51 h60; Top Overlay "SCK" at 6684.49,-8655.51 h60; Top Overlay "CS" at 6679.49,-8555.51 h60
?: Top Overlay "12V-5V / FOR Raspberry Pi" at 5273.11,-2325.08 h60